# Allegro board Microroc_Hardroc2b_Test_Board.brd
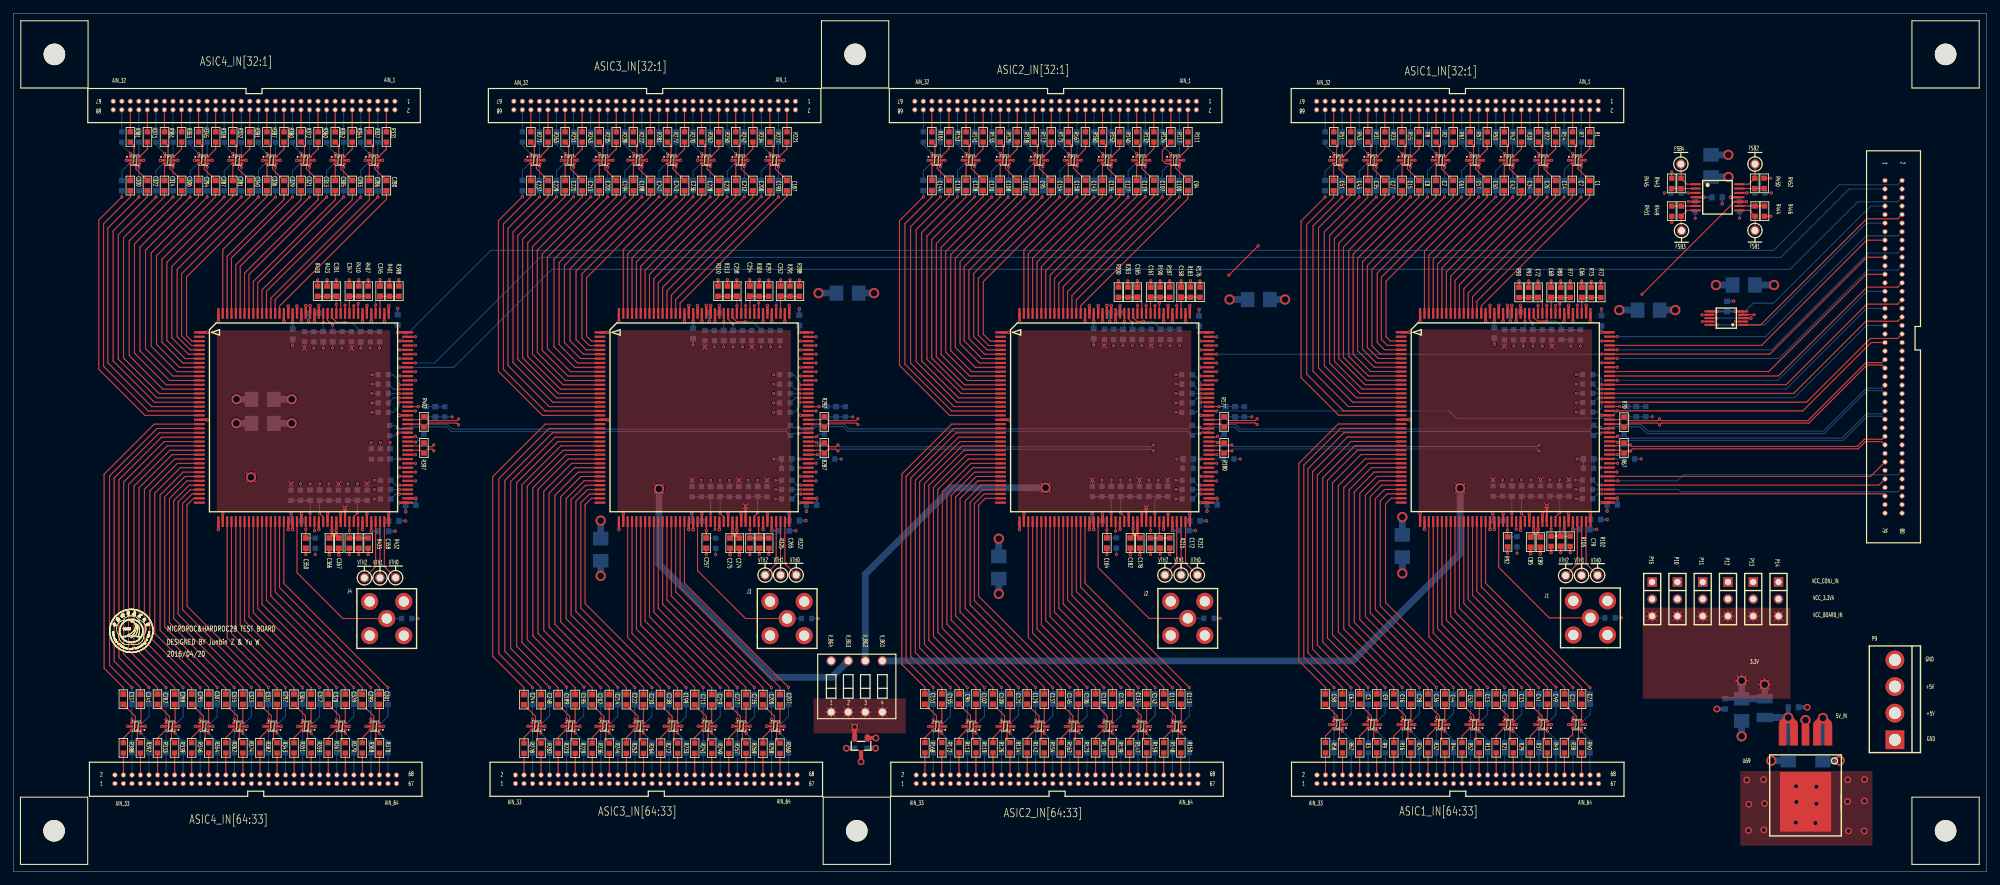
[diagram p0: board, top side]
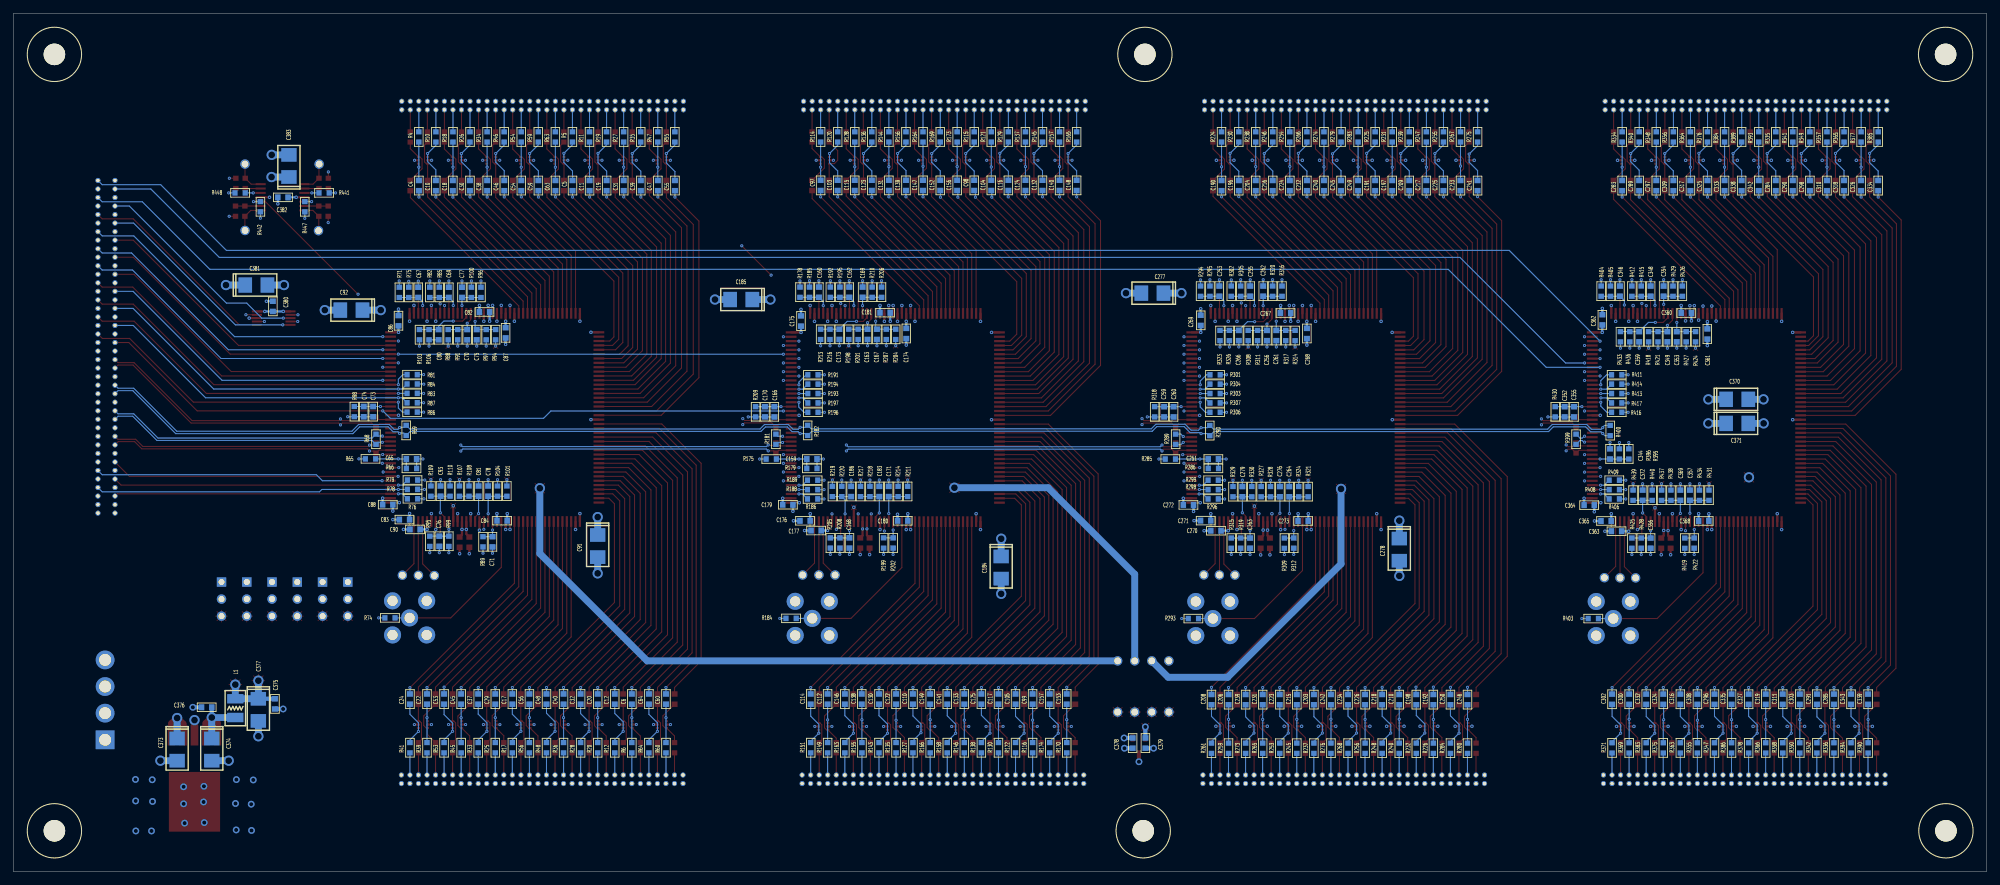
[diagram p1: board, bottom side, seen from below]

Outline 293.62 x 127.76 mm; copper layers: TOP, GND1, POWER, SIG, GND2, BOTTOM. Coordinates in mm from the lower left corner of the outline.
Outline path: 0,127.76 0,0 293.62,0 293.62,127.76 0,127.76

## Design rules (mm)
net group CK_5: nets CK_5N CK_5P
net group CK_40: nets CK_40N CK_40P
net group RAZ_CHN: nets RAZ_CHNN RAZ_CHNP
net group VAL_EVT: nets VAL_EVTN VAL_EVTP

## Placement (name value [footprint] x y rotation side)
C1  10n  [SC0603]  234.56 102.13 270 top
C2  10n  [SC0603]  211.7 102.13 270 top
C3  10n  [SC0603]  200.34 25.68 90 top
C4  10n  [SC0603]  233.29 102.14 270 bottom
C5  10n  [SC0603]  210.43 102.14 270 bottom
C6  10n  [SC0603]  201.6 25.68 90 bottom
C7  10n  [SC0603]  231.99 102.14 270 top
C8  10n  [SC0603]  209.16 102.14 270 top
C9  10n  [SC0603]  202.88 25.68 90 top
C10  10n  [SC0603]  230.77 102.13 270 bottom
C11  10n  [SC0603]  207.89 102.13 270 bottom
C12  10n  [SC0603]  204.14 25.68 90 bottom
C13  10n  [SC0603]  218.12 25.68 90 top
C14  10n  [SC0603]  229.5 102.13 270 top
C15  10n  [SC0603]  206.64 102.13 270 top
C16  10n  [SC0603]  205.41 25.68 90 top
C17  10n  [SC0603]  219.38 25.68 90 bottom
C18  10n  [SC0603]  228.23 102.13 270 bottom
C19  10n  [SC0603]  205.35 102.13 270 bottom
C20  10n  [SC0603]  206.68 25.68 90 bottom
C21  10n  [SC0603]  230.82 25.68 90 top
C22  10n  [SC0603]  232.08 25.68 90 bottom
C23  10n  [SC0603]  233.36 25.68 90 top
C24  10n  [SC0603]  234.62 25.68 90 bottom
C25  10n  [SC0603]  220.66 25.68 90 top
C26  10n  [SC0603]  226.94 102.14 270 top
C27  10n  [SC0603]  204.08 102.14 270 top
C28  10n  [SC0603]  207.96 25.68 90 top
C29  10n  [SC0603]  221.92 25.68 90 bottom
C30  10n  [SC0603]  225.69 102.14 270 bottom
C31  10n  [SC0603]  202.81 102.14 270 bottom
C32  10n  [SC0603]  209.22 25.68 90 bottom
C33  10n  [SC0603]  223.19 25.68 90 top
C34  10n  [SC0603]  224.4 102.14 270 top
C35  10n  [SC0603]  201.54 102.14 270 top
C36  10n  [SC0603]  210.48 25.68 90 top
C37  10n  [SC0603]  224.46 25.68 90 bottom
C38  10n  [SC0603]  223.13 102.14 270 bottom
C39  10n  [SC0603]  200.27 102.14 270 bottom
C40  10n  [SC0603]  211.76 25.68 90 bottom
C41  10n  [SC0603]  225.72 25.68 90 top
C42  10n  [SC0603]  221.86 102.14 270 top
C43  10n  [SC0603]  199 102.14 270 top
C44  10n  [SC0603]  213.02 25.68 90 top
C45  10n  [SC0603]  227 25.68 90 bottom
C46  10n  [SC0603]  220.59 102.14 270 bottom
C47  10n  [SC0603]  197.73 102.13 270 bottom
C48  10n  [SC0603]  214.3 25.68 90 bottom
C49  10n  [SC0603]  228.28 25.68 90 top
C50  10n  [SC0603]  219.32 102.14 270 top
C51  10n  [SC0603]  196.46 102.14 270 top
C52  10n  [SC0603]  215.58 25.68 90 top
C53  10n  [SC0603]  229.54 25.68 90 bottom
C54  10n  [SC0603]  218.05 102.14 270 bottom
C55  10n  [SC0603]  195.19 102.14 270 bottom
C56  10n  [SC0603]  216.84 25.68 90 bottom
C57  10n  [SC0603]  216.8 102.14 270 top
C58  10n  [SC0603]  195.24 25.68 90 top
C59  10n  [SC0603]  215.51 102.14 270 bottom
C60  10n  [SC0603]  196.52 25.68 90 bottom
C61  10n  [SC0603]  214.24 102.14 270 top
C62  10n  [SC0603]  197.78 25.68 90 top
C63  10n  [SC0603]  212.97 102.14 270 bottom
C64  10n  [SC0603]  199.06 25.68 90 bottom
C65  0.1u  [SC0603]  234.39 61.43 0 bottom
C66  0.1u  [SC0603]  233.39 86.23 270 top
C67  0.1u  [SC0603]  233.38 86.23 270 bottom
C68  0.1u  [SC0603]  228.82 86.23 270 top
C69  0.1u  [SC0603]  228.83 86.23 270 bottom
C70  0.1u  [SC0603]  226.1 79.93 90 bottom
C71  0.1u  [SC0603]  222.34 49.1 90 bottom
C72  0.1u  [SC0603]  226.89 86.23 270 top
C73  0.1u  [SC0603]  240.09 68.48 270 bottom
C74  0.1u  [SC0603]  241.49 68.48 270 bottom
C75  0.1u  [SC0603]  224.68 79.93 90 bottom
C76  0.1u  [SC0603]  230.25 49.17 90 bottom
C77  0.1u  [SC0603]  226.88 86.23 270 bottom
C78  0.1u  [SC0603]  222.99 56.64 270 bottom
C79  0.1u  [SC0603]  230.25 49.17 90 top
C80  0.1u  [SC0603]  230.35 79.93 90 bottom
C81  0.1u  [SC0603]  224.41 56.64 270 bottom
C82  0.1u  [SC0603]  223.52 83.31 180 bottom
C83  0.1u  [SC0603]  235.43 52.4 0 bottom
C84  0.1u  [SC0603]  220.9 52.24 180 bottom
C85  0.1u  [SC0603]  225.78 49.05 270 top
C86  0.1u  [SC0603]  236.32 82.02 90 bottom
C87  0.1u  [SC0603]  220.38 80.21 270 bottom
C88  0.1u  [SC0603]  237.92 54.64 180 bottom
C89  0.1u  [SC0603]  227.23 49.05 270 top
C90  0.1u  [SC0603]  233.86 50.94 0 bottom
C91  10u  [STC3528]  206.68 48.46 270 bottom
C92  10u  [STC3528]  243.33 83.59 0 bottom
C93  0.1u  [SC0603]  230.06 56.64 270 bottom
C94  10n  [SC0603]  174.77 102.16 270 top
C95  10n  [SC0603]  151.91 102.16 270 top
C96  10n  [SC0603]  140.72 25.68 90 top
C97  10n  [SC0603]  173.51 102.16 270 bottom
C98  10n  [SC0603]  150.65 102.16 270 bottom
C99  10n  [SC0603]  141.96 25.68 90 bottom
C100  10n  [SC0603]  172.24 102.16 270 top
C101  10n  [SC0603]  149.38 102.16 270 top
C102  10n  [SC0603]  143.23 25.68 90 top
C103  10n  [SC0603]  170.97 102.16 270 bottom
C104  10n  [SC0603]  148.11 102.16 270 bottom
C105  10n  [SC0603]  144.5 25.68 90 bottom
C106  10n  [SC0603]  158.47 25.68 90 top
C107  10n  [SC0603]  169.7 102.16 270 top
C108  10n  [SC0603]  146.84 102.16 270 top
C109  10n  [SC0603]  145.77 25.68 90 top
C110  10n  [SC0603]  159.77 25.68 90 bottom
C111  10n  [SC0603]  171.17 25.68 90 top
C112  10n  [SC0603]  172.47 25.68 90 bottom
C113  10n  [SC0603]  173.71 25.68 90 top
C114  10n  [SC0603]  174.98 25.68 90 bottom
C115  10n  [SC0603]  168.43 102.16 270 bottom
C116  10n  [SC0603]  145.57 102.16 270 bottom
C117  10n  [SC0603]  147.04 25.68 90 bottom
C118  10n  [SC0603]  161.04 25.68 90 top
C119  10n  [SC0603]  167.16 102.16 270 top
C120  10n  [SC0603]  144.3 102.16 270 top
C121  10n  [SC0603]  148.31 25.68 90 top
C122  10n  [SC0603]  162.28 25.68 90 bottom
C123  10n  [SC0603]  165.89 102.16 270 bottom
C124  10n  [SC0603]  143.03 102.16 270 bottom
C125  10n  [SC0603]  149.58 25.68 90 bottom
C126  10n  [SC0603]  163.55 25.68 90 top
C127  10n  [SC0603]  164.62 102.16 270 top
C128  10n  [SC0603]  141.76 102.16 270 top
C129  10n  [SC0603]  150.85 25.68 90 top
C130  10n  [SC0603]  164.82 25.68 90 bottom
C131  10n  [SC0603]  163.35 102.16 270 bottom
C132  10n  [SC0603]  140.49 102.16 270 bottom
C133  10n  [SC0603]  152.12 25.68 90 bottom
C134  10n  [SC0603]  166.12 25.68 90 top
C135  10n  [SC0603]  162.05 102.16 270 top
C136  10n  [SC0603]  139.22 102.16 270 top
C137  10n  [SC0603]  153.4 25.68 90 top
C138  10n  [SC0603]  167.39 25.68 90 bottom
C139  10n  [SC0603]  160.81 102.16 270 bottom
C140  10n  [SC0603]  137.95 102.16 270 bottom
C141  10n  [SC0603]  154.66 25.68 90 bottom
C142  10n  [SC0603]  168.64 25.68 90 top
C143  10n  [SC0603]  159.55 102.16 270 top
C144  10n  [SC0603]  136.68 102.16 270 top
C145  10n  [SC0603]  155.94 25.68 90 top
C146  10n  [SC0603]  169.9 25.68 90 bottom
C147  10n  [SC0603]  158.27 102.16 270 bottom
C148  10n  [SC0603]  135.41 102.16 270 bottom
C149  10n  [SC0603]  157.2 25.68 90 bottom
C150  10n  [SC0603]  156.99 102.16 270 top
C151  10n  [SC0603]  135.62 25.68 90 top
C152  10n  [SC0603]  155.7 102.16 270 bottom
C153  10n  [SC0603]  136.88 25.68 90 bottom
C154  10n  [SC0603]  154.45 102.16 270 top
C155  10n  [SC0603]  138.16 25.68 90 top
C156  10n  [SC0603]  153.19 102.16 270 bottom
C157  10n  [SC0603]  139.42 25.68 90 bottom
C158  0.1u  [SC0603]  173.75 86.26 270 top
C159  0.1u  [SC0603]  174.8 61.42 0 bottom
C160  0.1u  [SC0603]  173.76 86.26 270 bottom
C161  0.1u  [SC0603]  169.23 86.26 270 top
C162  0.1u  [SC0603]  169.24 86.26 270 bottom
C163  0.1u  [SC0603]  166.52 79.98 90 bottom
C164  0.1u  [SC0603]  162.72 48.92 90 top
C165  0.1u  [SC0603]  167.25 86.26 270 top
C166  0.1u  [SC0603]  180.39 68.45 270 bottom
C167  0.1u  [SC0603]  165.13 79.98 90 bottom
C168  0.1u  [SC0603]  169.21 48.92 90 bottom
C169  0.1u  [SC0603]  167.26 86.26 270 bottom
C170  0.1u  [SC0603]  181.79 68.45 270 bottom
C171  0.1u  [SC0603]  163.37 56.59 270 bottom
C172  0.1u  [SC0603]  170.65 48.92 90 top
C173  0.1u  [SC0603]  170.71 79.98 90 bottom
C174  0.1u  [SC0603]  160.76 80.11 270 bottom
C175  0.1u  [SC0603]  176.43 81.97 90 bottom
C176  0.1u  [SC0603]  175.82 52.22 0 bottom
C177  0.1u  [SC0603]  174.17 50.77 0 bottom
C178  0.1u  [SC0603]  167.61 48.92 270 top
C179  0.1u  [SC0603]  178.38 54.61 180 bottom
C180  0.1u  [SC0603]  161.29 52.22 180 bottom
C181  0.1u  [SC0603]  163.91 83.21 180 bottom
C182  0.1u  [SC0603]  166.22 48.92 270 top
C183  0.1u  [SC0603]  164.77 56.59 270 bottom
C184  10u  [STC3528]  146.63 45.26 270 bottom
C185  10u  [STC3528]  185.32 85.17 0 bottom
C186  0.1u  [SC0603]  168.96 56.59 270 bottom
C187  10n  [SC0603]  115.11 102.13 270 top
C188  10n  [SC0603]  92.27 102.13 270 top
C189  10n  [SC0603]  81.05 25.6 90 top
C190  10n  [SC0603]  113.84 102.13 270 bottom
C191  10n  [SC0603]  90.98 102.13 270 bottom
C192  10n  [SC0603]  82.32 25.6 90 bottom
C193  10n  [SC0603]  112.56 102.13 270 top
C194  10n  [SC0603]  89.71 102.13 270 top
C195  10n  [SC0603]  83.59 25.6 90 top
C196  10n  [SC0603]  111.28 102.13 270 bottom
C197  10n  [SC0603]  88.44 102.13 270 bottom
C198  10n  [SC0603]  84.86 25.6 90 bottom
C199  10n  [SC0603]  98.83 25.6 90 top
C200  10n  [SC0603]  110.03 102.13 270 top
C201  10n  [SC0603]  87.17 102.13 270 top
C202  10n  [SC0603]  86.13 25.6 90 top
C203  10n  [SC0603]  100.1 25.6 90 bottom
C204  10n  [SC0603]  108.76 102.13 270 bottom
C205  10n  [SC0603]  111.53 25.6 90 top
C206  10n  [SC0603]  112.8 25.6 90 bottom
C207  10n  [SC0603]  114.07 25.6 90 top
C208  10n  [SC0603]  115.34 25.6 90 bottom
C209  10n  [SC0603]  85.9 102.13 270 bottom
C210  10n  [SC0603]  87.4 25.6 90 bottom
C211  10n  [SC0603]  101.37 25.6 90 top
C212  10n  [SC0603]  107.49 102.13 270 top
C213  10n  [SC0603]  84.63 102.13 270 top
C214  10n  [SC0603]  88.67 25.6 90 top
C215  10n  [SC0603]  102.64 25.6 90 bottom
C216  10n  [SC0603]  106.22 102.13 270 bottom
C217  10n  [SC0603]  83.36 102.13 270 bottom
C218  10n  [SC0603]  89.94 25.6 90 bottom
C219  10n  [SC0603]  103.91 25.6 90 top
C220  10n  [SC0603]  104.95 102.13 270 top
C221  10n  [SC0603]  82.11 102.13 270 top
C222  10n  [SC0603]  91.21 25.6 90 top
C223  10n  [SC0603]  105.18 25.6 90 bottom
C224  10n  [SC0603]  103.68 102.13 270 bottom
C225  10n  [SC0603]  80.82 102.13 270 bottom
C226  10n  [SC0603]  92.48 25.6 90 bottom
C227  10n  [SC0603]  106.46 25.6 90 top
C228  10n  [SC0603]  102.41 102.13 270 top
C229  10n  [SC0603]  79.57 102.13 270 top
C230  10n  [SC0603]  93.75 25.6 90 top
C231  10n  [SC0603]  107.72 25.6 90 bottom
C232  10n  [SC0603]  101.14 102.13 270 bottom
C233  10n  [SC0603]  78.28 102.13 270 bottom
C234  10n  [SC0603]  95.02 25.6 90 bottom
C235  10n  [SC0603]  109 25.6 90 top
C236  10n  [SC0603]  99.87 102.13 270 top
C237  10n  [SC0603]  77 102.13 270 top
C238  10n  [SC0603]  96.29 25.6 90 top
C239  10n  [SC0603]  110.26 25.6 90 bottom
C240  10n  [SC0603]  98.6 102.13 270 bottom
C241  10n  [SC0603]  75.74 102.13 270 bottom
C242  10n  [SC0603]  97.56 25.6 90 bottom
C243  10n  [SC0603]  97.32 102.13 270 top
C244  10n  [SC0603]  75.96 25.6 90 top
C245  10n  [SC0603]  96.06 102.13 270 bottom
C246  10n  [SC0603]  77.24 25.6 90 bottom
C247  10n  [SC0603]  94.81 102.13 270 top
C248  10n  [SC0603]  78.51 25.6 90 top
C249  10n  [SC0603]  93.52 102.13 270 bottom
C250  10n  [SC0603]  79.78 25.6 90 bottom
C251  0.1u  [SC0603]  115.06 61.42 0 bottom
C252  0.1u  [SC0603]  114.16 86.41 270 top
C253  0.1u  [SC0603]  114.17 86.41 270 bottom
C254  0.1u  [SC0603]  109.59 86.41 270 top
C255  0.1u  [SC0603]  109.58 86.41 270 bottom
C256  0.1u  [SC0603]  107.09 79.81 90 bottom
C257  0.1u  [SC0603]  103.1 48.9 90 top
C258  0.1u  [SC0603]  107.65 86.41 270 top
C259  0.1u  [SC0603]  122.39 68.45 270 bottom
C260  0.1u  [SC0603]  120.98 68.45 270 bottom
C261  0.1u  [SC0603]  105.69 79.81 90 bottom
C262  0.1u  [SC0603]  107.65 86.41 270 bottom
C263  0.1u  [SC0603]  109.6 48.9 90 bottom
C264  0.1u  [SC0603]  103.76 56.57 270 bottom
C265  0.1u  [SC0603]  111.01 48.9 90 top
C266  0.1u  [SC0603]  111.28 79.81 90 bottom
C267  0.1u  [SC0603]  104.32 83.16 180 bottom
C268  0.1u  [SC0603]  101.14 80.11 270 bottom
C269  0.1u  [SC0603]  116.94 82.07 90 bottom
C270  0.1u  [SC0603]  114.68 50.75 0 bottom
C271  0.1u  [SC0603]  116.2 52.25 0 bottom
C272  0.1u  [SC0603]  118.77 54.58 180 bottom
C273  0.1u  [SC0603]  101.7 52.2 180 bottom
C274  0.1u  [SC0603]  108.03 48.9 270 top
C275  0.1u  [SC0603]  106.64 48.9 270 top
C276  0.1u  [SC0603]  105.16 56.57 270 bottom
C277  10u  [STC3528]  124.13 86.12 0 bottom
C278  10u  [STC3528]  87.39 47.93 270 bottom
C279  0.1u  [SC0603]  110.74 56.57 270 bottom
C280  10n  [SC0603]  55.5 102.13 270 top
C281  10n  [SC0603]  32.64 102.13 270 top
C282  10n  [SC0603]  21.44 25.65 90 top
C283  10n  [SC0603]  54.23 102.13 270 bottom
C284  10n  [SC0603]  31.37 102.13 270 bottom
C285  10n  [SC0603]  22.71 25.65 90 bottom
C286  10n  [SC0603]  52.97 102.13 270 top
C287  10n  [SC0603]  30.09 102.13 270 top
C288  10n  [SC0603]  23.99 25.65 90 top
C289  10n  [SC0603]  51.69 102.13 270 bottom
C290  10n  [SC0603]  28.83 102.13 270 bottom
C291  10n  [SC0603]  25.25 25.65 90 bottom
C292  10n  [SC0603]  39.23 25.65 90 top
C293  10n  [SC0603]  50.43 102.13 270 top
C294  10n  [SC0603]  27.55 102.13 270 top
C295  10n  [SC0603]  26.53 25.65 90 top
C296  10n  [SC0603]  40.49 25.65 90 bottom
C297  10n  [SC0603]  49.15 102.13 270 bottom
C298  10n  [SC0603]  26.29 102.13 270 bottom
C299  10n  [SC0603]  51.9 25.63 90 top
C300  10n  [SC0603]  53.19 25.65 90 bottom
C301  10n  [SC0603]  54.44 25.65 90 top
C302  10n  [SC0603]  55.73 25.65 90 bottom
C303  10n  [SC0603]  27.79 25.65 90 bottom
C304  10n  [SC0603]  41.74 25.65 90 top
C305  10n  [SC0603]  47.89 102.13 270 top
C306  10n  [SC0603]  25.03 102.13 270 top
C307  10n  [SC0603]  29.06 25.65 90 top
C308  10n  [SC0603]  43.03 25.65 90 bottom
C309  10n  [SC0603]  46.61 102.13 270 bottom
C310  10n  [SC0603]  23.75 102.13 270 bottom
C311  10n  [SC0603]  30.33 25.65 90 bottom
C312  10n  [SC0603]  44.3 25.65 90 top
C313  10n  [SC0603]  45.34 102.13 270 top
C314  10n  [SC0603]  22.48 102.13 270 top
C315  10n  [SC0603]  31.6 25.65 90 top
C316  10n  [SC0603]  45.57 25.65 90 bottom
C317  10n  [SC0603]  44.07 102.13 270 bottom
C318  10n  [SC0603]  21.21 102.13 270 bottom
C319  10n  [SC0603]  32.87 25.65 90 bottom
C320  10n  [SC0603]  46.84 25.65 90 top
C321  10n  [SC0603]  42.8 102.13 270 top
C322  10n  [SC0603]  19.94 102.13 270 top
C323  10n  [SC0603]  34.14 25.65 90 top
C324  10n  [SC0603]  48.11 25.65 90 bottom
C325  10n  [SC0603]  41.53 102.13 270 bottom
C326  10n  [SC0603]  18.67 102.13 270 bottom
C327  10n  [SC0603]  35.41 25.65 90 bottom
C328  10n  [SC0603]  49.38 25.65 90 top
C329  10n  [SC0603]  40.26 102.13 270 top
C330  10n  [SC0603]  17.4 102.13 270 top
C331  10n  [SC0603]  36.68 25.65 90 top
C332  10n  [SC0603]  50.65 25.65 90 bottom
C333  10n  [SC0603]  38.99 102.13 270 bottom
C334  10n  [SC0603]  16.13 102.13 270 bottom
C335  10n  [SC0603]  37.95 25.65 90 bottom
C336  10n  [SC0603]  37.72 102.13 270 top
C337  10n  [SC0603]  16.36 25.65 90 top
C338  10n  [SC0603]  36.45 102.13 270 bottom
C339  10n  [SC0603]  17.63 25.65 90 bottom
C340  10n  [SC0603]  35.18 102.13 270 top
C341  10n  [SC0603]  18.9 25.65 90 top
C342  10n  [SC0603]  33.91 102.13 270 bottom
C343  10n  [SC0603]  20.17 25.65 90 bottom
C344  0.1u  [SC0603]  56.03 62.18 270 bottom
C345  0.1u  [SC0603]  54.56 86.41 270 top
C346  0.1u  [SC0603]  54.56 86.41 270 bottom
C347  0.1u  [SC0603]  49.99 86.41 270 top
C348  0.1u  [SC0603]  49.99 86.41 270 bottom
C349  0.1u  [SC0603]  47.5 79.63 90 bottom
C350  0.1u  [SC0603]  43.51 48.9 90 top
C351  0.1u  [SC0603]  48.06 86.41 270 top
C352  0.1u  [SC0603]  62.79 68.45 270 bottom
C353  0.1u  [SC0603]  46.1 79.63 90 bottom
C354  0.1u  [SC0603]  48.06 86.41 270 bottom
C355  0.1u  [SC0603]  61.39 68.45 270 bottom
C356  0.1u  [SC0603]  49.99 48.9 90 bottom
C357  0.1u  [SC0603]  44.15 56.03 270 bottom
C358  0.1u  [SC0603]  51.38 48.9 90 top
C359  0.1u  [SC0603]  51.69 79.63 90 bottom
C360  0.1u  [SC0603]  44.68 83.16 180 bottom
C361  0.1u  [SC0603]  41.55 80.04 270 bottom
C362  0.1u  [SC0603]  57.18 82.14 90 bottom
C363  0.1u  [SC0603]  55.07 50.67 0 bottom
C364  0.1u  [SC0603]  59.13 54.56 180 bottom
C365  0.1u  [SC0603]  56.62 52.2 0 bottom
C366  0.1u  [SC0603]  47.02 48.9 270 top
C367  0.1u  [SC0603]  48.41 48.9 270 top
C368  0.1u  [SC0603]  42.09 52.2 180 bottom
C369  0.1u  [SC0603]  45.57 56.03 270 bottom
C370  10u  [STC3528]  37.11 70.31 180 bottom
C371  10u  [STC3528]  37.11 66.73 180 bottom
C372  0.1u  [SC0603]  51.18 56.03 270 bottom
C373  10u  [STC3528]  269.27 18.16 270 bottom
C374  10u  [STC3528]  264.11 18.16 270 bottom
C375  0.1u  [SC0603]  254.71 24.97 270 bottom
C376  0.1u  [SC0603]  264.87 24.46 0 bottom
C377  10u  [STC3528]  257.18 24.08 270 bottom
C378  0.47u  [SC0603]  127.08 19.13 270 bottom
C379  0.1u  [SC0603]  125.17 19.13 270 bottom
C380  0.1u  [SC0603]  255.02 84.15 90 bottom
C381  10u  [STC3528]  257.48 87.33 180 bottom
C382  0.1u  [SC0603]  253.52 100.38 0 bottom
C383  10u  [STC3528]  252.63 105.05 90 bottom
J1  SMA  [CON-BNC-S-T]  234.67 37.77 90 top
J2  SMA  [CON-BNC-S-T]  174.75 37.69 0 top
J3  SMA  [CON-BNC-S-T]  115.14 37.67 0 top
J4  SMA  [CON-BNC-S-T]  55.55 37.67 0 top
L1  Bead  [SL1210]  260.6 24.33 90 bottom
NOREF  -  [unnamed]  6.05 6.07 0 top
NOREF#2  -  [#2]  351.65 -0.19 0 top
NOREF#3  -  [#2]  277.24 63.98 0 top
NOREF#4  -  [#2]  123.95 67.16 0 top
NOREF#5  -  [#2]  237.9 64.16 0 top
NOREF#6  -  [#2]  162.81 63.27 0 top
NOREF#7  -  [#2]  183.64 66.8 0 top
NOREF#8  -  [#2]  63.93 66.78 0 top
NOREF#9  -  [#2]  0 127.76 0 top
NOREF#10  -  [#2]  163.88 62.89 0 top
NOREF#11  -  [#2]  110.72 65.79 0 top
NOREF#12  -  [#2]  124.64 66.78 0 top
NOREF#13  -  [#2]  111.63 65.43 0 top
NOREF#14  -  [#2]  221.01 63.3 0 top
NOREF#15  -  [#2]  182.98 67.16 0 top
NOREF#16  -  [#2]  232.59 63.25 0 top
NOREF#17  -  [#2]  277.47 68.15 0 top
NOREF#18  -  [#2]  237.16 64.54 0 top
NOREF#19  -  [#2]  277.88 64.36 0 top
NOREF#20  -  [#2]  65.1 67.13 0 top
NOREF#21  -  [#2]  277.22 71.98 0 top
NOREF#22  -  [#2]  277.47 75.41 0 top
NOREF#23  -  [unnamed]  125.25 121.67 0 top
NOREF#24  -  [#2]  277.85 71.6 0 top
NOREF#25  -  [unnamed]  287.53 6.07 0 top
NOREF#26  -  [#2]  17.12 35.06 0 top
NOREF#27  -  [#2]  233.32 62.92 0 top
NOREF#28  -  [#2]  221.72 62.94 0 top
NOREF#29  -  [unnamed]  287.53 121.67 0 top
NOREF#30  -  [#2]  178.21 62.92 0 top
NOREF#31  -  [#2]  177.42 63.27 0 top
NOREF#32  -  [#2]  277.14 75.77 0 top
NOREF#33  -  [unnamed]  125.5 6.07 0 top
NOREF#34  -  [#2]  228.73 66.8 0 top
NOREF#35  -  [unnamed]  6.1 121.67 0 top
NOREF#36  -  [#2]  229.18 67.13 0 top
NOREF#37  -  [#2]  293.62 0 90 top
NOREF#38  -  [#2]  277.88 67.79 0 top
P1  D-Pin34*2  [DC3-68P-1_27MM]  190.2 11.2 0 top
P2  D-Pin34*2  [DC3-68P-1_27MM]  239.62 116.59 180 top
P3  D-Pin34*2  [DC3-68P-1_27MM]  179.82 116.59 180 top
P4  D-Pin34*2  [DC3-68P-1_27MM]  130.56 11.2 0 top
P5  D-Pin34*2  [DC3-68P-1_27MM]  120.16 116.59 180 top
P6  D-Pin34*2  [DC3-68P-1_27MM]  70.93 11.2 0 top
P7  D-Pin34*2  [DC3-68P-1_27MM]  60.55 116.59 180 top
P8  D-Pin34*2  [DC3-68P-1_27MM]  11.31 11.2 0 top
P9  Pin 4  [SIP-4P-156]  279.98 25.57 90 top
P10  Pin 3  [SIP-3P]  247.62 40.57 270 top
P11  Pin 3  [SIP-3P]  251.38 40.57 270 top
P12  Pin 3  [SIP-3P]  255.14 40.57 270 top
P13  Pin 3  [SIP-3P]  258.9 40.57 270 top
P14  Pin 3  [SIP-3P]  262.66 40.57 270 top
P15  Pin 3  [SIP-3P]  243.87 40.57 270 top
R1  50  [SR0603]  234.57 109.37 270 top
R2  50  [SR0603]  211.71 109.37 270 top
R3  50  [SR0603]  200.33 18.44 90 top
R4  50  [SR0603]  233.3 109.37 270 bottom
R5  50  [SR0603]  210.44 109.37 270 bottom
R6  50  [SR0603]  201.6 18.44 90 bottom
R7  50  [SR0603]  232 109.37 270 top
R8  50  [SR0603]  209.17 109.37 270 top
R9  50  [SR0603]  202.87 18.44 90 top
R10  50  [SR0603]  230.76 109.37 270 bottom
R11  50  [SR0603]  207.9 109.37 270 bottom
R12  50  [SR0603]  204.14 18.44 90 bottom
R13  50  [SR0603]  218.11 18.44 90 top
R14  50  [SR0603]  229.49 109.37 270 top
R15  50  [SR0603]  206.63 109.37 270 top
R16  50  [SR0603]  205.41 18.44 90 top
R17  50  [SR0603]  219.38 18.44 90 bottom
R18  50  [SR0603]  228.22 109.37 270 bottom
R19  50  [SR0603]  205.36 109.37 270 bottom
R20  50  [SR0603]  206.68 18.44 90 bottom
R21  50  [SR0603]  220.65 18.44 90 top
R22  50  [SR0603]  226.95 109.37 270 top
R23  50  [SR0603]  204.09 109.37 270 top
R24  50  [SR0603]  207.95 18.44 90 top
R25  50  [SR0603]  221.92 18.44 90 bottom
R26  50  [SR0603]  225.68 109.37 270 bottom
R27  50  [SR0603]  202.82 109.37 270 bottom
R28  50  [SR0603]  209.22 18.44 90 bottom
R29  50  [SR0603]  223.19 18.44 90 top
R30  50  [SR0603]  224.41 109.37 270 top
R31  50  [SR0603]  201.55 109.37 270 top
R32  50  [SR0603]  210.49 18.44 90 top
R33  50  [SR0603]  224.46 18.44 90 bottom
R34  50  [SR0603]  223.14 109.37 270 bottom
R35  50  [SR0603]  200.28 109.37 270 bottom
R36  50  [SR0603]  211.76 18.44 90 bottom
R37  50  [SR0603]  225.73 18.44 90 top
R38  50  [SR0603]  230.81 18.44 90 top
R39  50  [SR0603]  232.08 18.44 90 bottom
R40  50  [SR0603]  233.35 18.44 90 top
R41  50  [SR0603]  234.62 18.44 90 bottom
R42  50  [SR0603]  221.87 109.37 270 top
R43  50  [SR0603]  199.01 109.37 270 top
R44  50  [SR0603]  213.03 18.44 90 top
R45  50  [SR0603]  227 18.44 90 bottom
R46  50  [SR0603]  220.6 109.37 270 bottom
R47  50  [SR0603]  197.74 109.37 270 bottom
R48  50  [SR0603]  214.3 18.44 90 bottom